# KiCad board Pro_V2.kicad_pcb
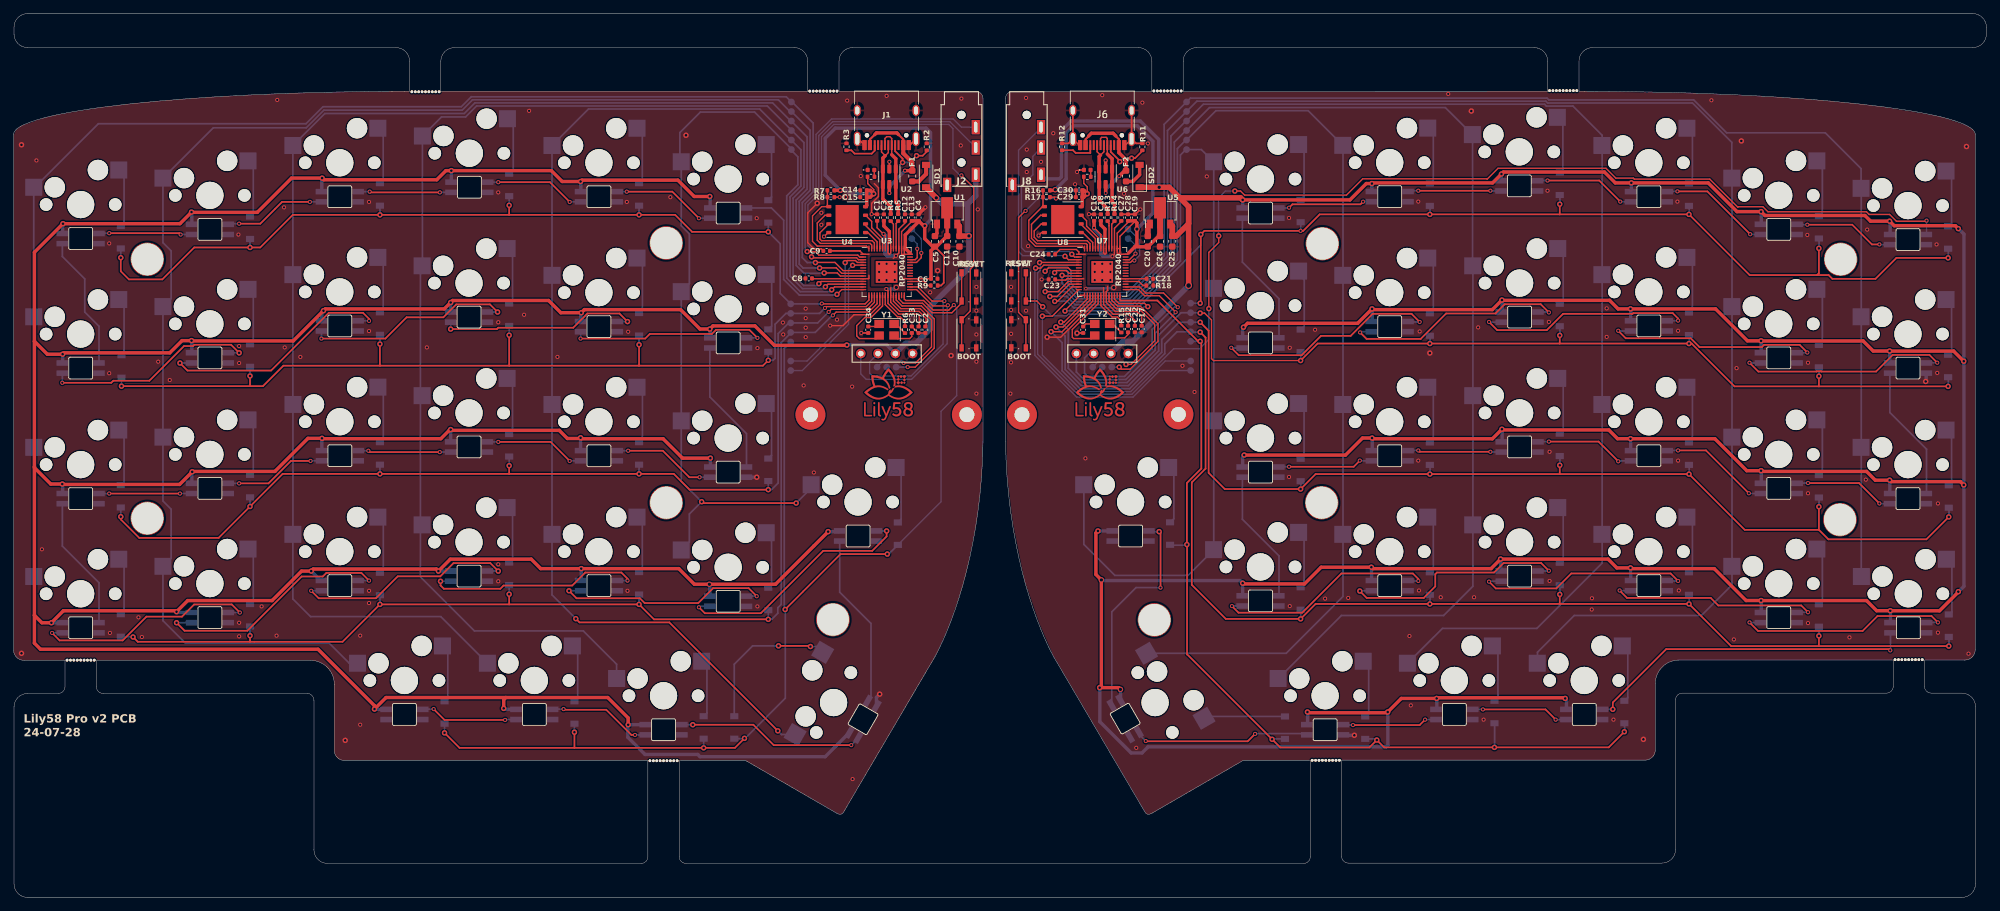
[diagram p0: board, top side]
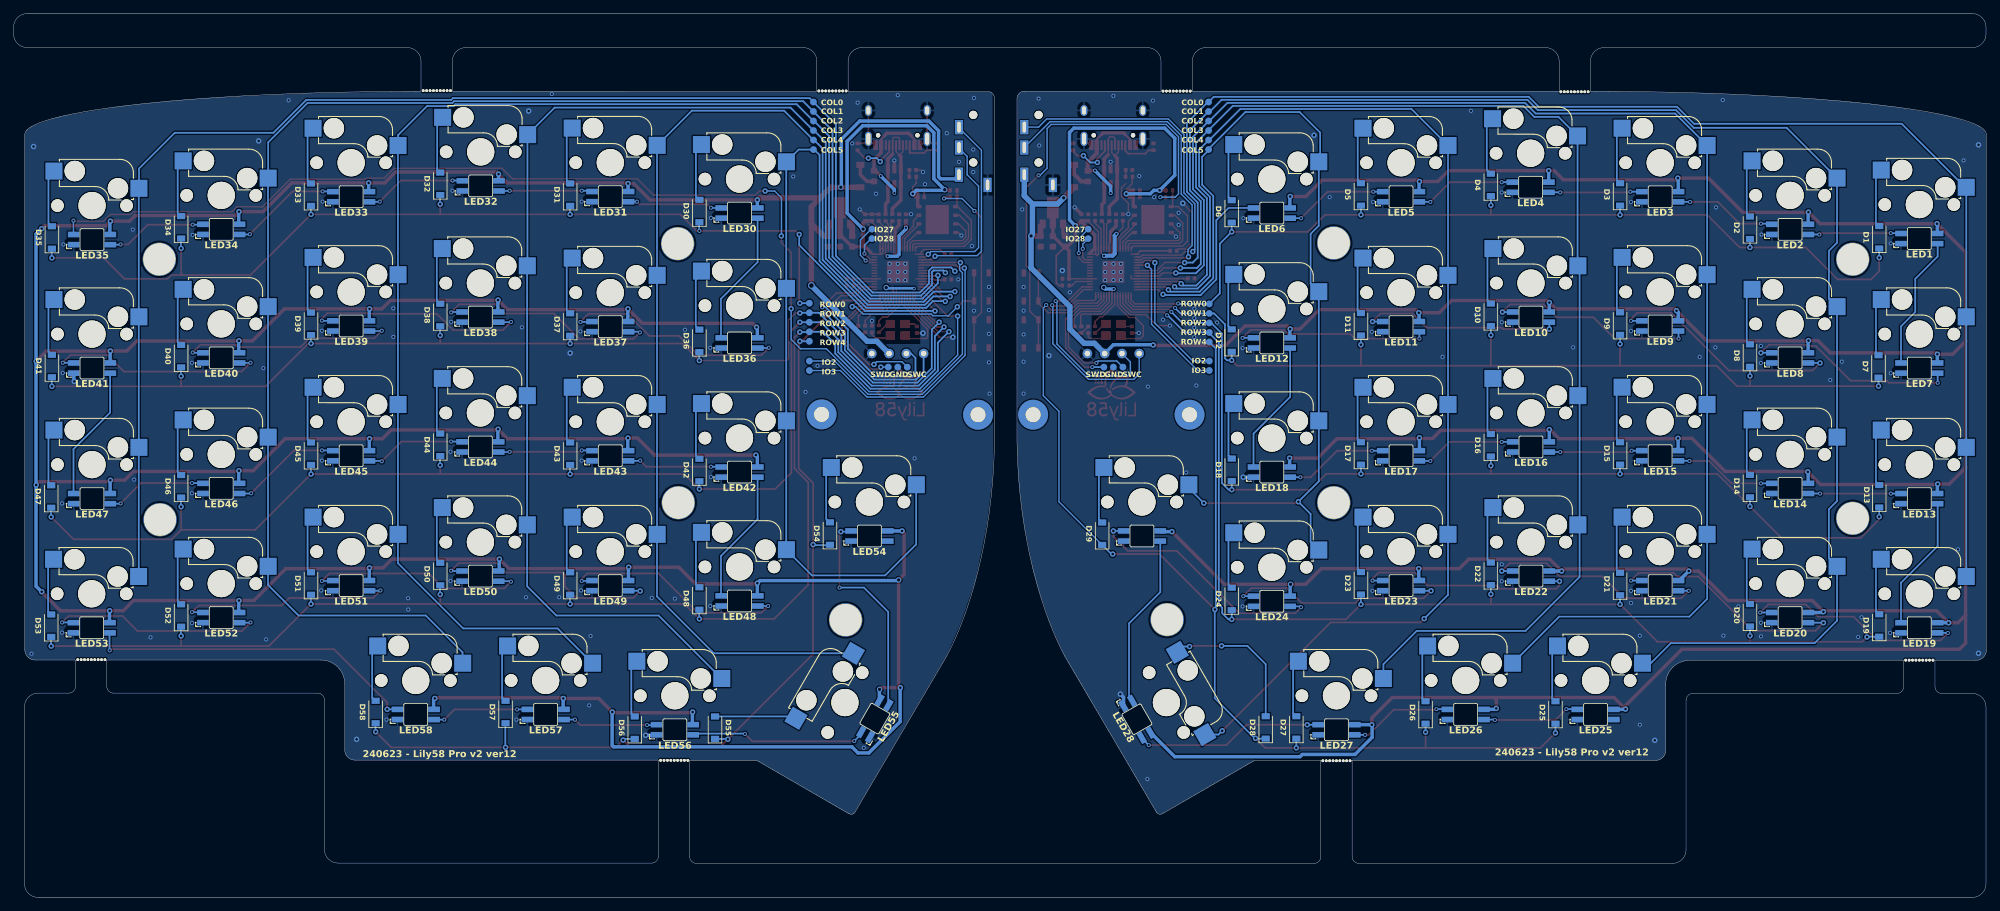
[diagram p1: board, bottom side, seen from below]

Outline 290.06 x 130 mm; copper layers: Top, Bottom. Coordinates in mm from the lower left corner of the outline.
Outline path: 0,36.37 0,112.22 ; 1.56,34.87 7.56,34.87 7.56,31 arc(7.27,30.29) 6.56,30 2.06,30 arc(0.65,29.41) 0.06,28 0.06,2 arc(0.65,0.59) 2.06,0 286.46,0 arc(287.87,0.59) 288.46,2 288.46,28.05 arc(287.87,29.46) 286.46,30.05 281.96,30.05 arc(281.25,30.34) 280.96,31.05 280.96,34.91 286.87,34.91 ; 43.65,34.87 12.16,34.87 12.16,31 arc(12.45,30.29) 13.16,30 43.16,30 arc(43.87,29.71) 44.16,29 44.16,7 arc(44.75,5.59) 46.16,5 92.26,5 arc(92.97,5.29) 93.26,6 93.26,20.15 48.65,20.15 ; 47.15,21.62 47.15,31.37 ; 58.22,118.57 58.22,123 arc(57.63,124.41) 56.22,125 2.06,125 arc(0.65,125.59) 0.06,127 0.06,128 arc(0.65,129.41) 2.06,130 288.06,130 arc(289.47,129.41) 290.06,128 290.06,127 arc(289.47,125.59) 288.06,125 232.16,125 arc(230.75,124.41) 230.16,123 230.16,118.57 ; 121.01,12.39 107.6,20.15 97.86,20.15 97.86,6 arc(98.15,5.29) 98.86,5 189.66,5 arc(190.37,5.29) 190.66,6 190.66,20.15 180.77,20.15 167.37,12.39 ; 141.48,118.57 121.36,118.57 121.36,123 arc(121.95,124.41) 123.36,125 165.36,125 arc(166.77,124.41) 167.36,123 167.36,118.57 146.9,118.57 ; 122.02,12.53 135.47,35.42 ; 142.53,117.52 142.53,67.06 ; 145.85,67.06 145.85,117.52 ; 152.9,35.42 166.36,12.53 ; 239.87,20.19 195.26,20.19 195.26,6.05 arc(195.55,5.34) 196.26,5.05 242.36,5.05 arc(243.77,5.63) 244.36,7.05 244.36,29.05 arc(244.65,29.75) 245.36,30.05 275.36,30.05 arc(276.07,30.34) 276.36,31.05 276.36,34.92 244.87,34.92 ; 241.37,21.67 241.37,31.41 ; 288.42,112.22 288.42,36.46 ; 62.82,123 arc(63.4,124.41) 64.82,125 114.76,125 arc(116.17,124.41) 116.76,123 116.76,118.57 62.82,118.57 62.82,123 ; 171.96,123 arc(172.55,124.41) 173.96,125 223.56,125 arc(224.97,124.41) 225.56,123 225.56,118.57 171.96,118.57 171.96,123
Stack: Top 0.035mm / dielectric 1.51mm FR4 er 4.5 / Bottom 0.035mm

## Placement (name value [footprint] x y rotation side)
BSW1  SWBoot  [SW_Push_1P1T_NO_Vertical_Wuerth_434133025816]  140.46 82.9 90 top
BSW2  SWBoot  [SW_Push_1P1T_NO_Vertical_Wuerth_434133025816]  147.76 82.9 270 top
C1  100n  [C_0402_1005Metric]  126.96 100 90 top
C2  100n  [C_0402_1005Metric]  134.06 83.5 270 top
C3  100n  [C_0402_1005Metric]  127.96 100 90 top
C4  100n  [C_0402_1005Metric]  133.06 100 90 top
C5  100n  [C_0603_1608Metric]  135.46 96.5 90 top
C6  100n  [C_0402_1005Metric]  135.36 91 0 top
C7  100n  [C_0402_1005Metric]  133.06 83.5 270 top
C8  100n  [C_0402_1005Metric]  116.91 91.05 180 top
C9  100n  [C_0402_1005Metric]  119.53 95.1 180 top
C10  10u  [C_0603_1608Metric]  139.06 96.5 270 top
C11  10u  [C_0603_1608Metric]  137.26 96.5 270 top
C12  2.2uF  [C_0402_1005Metric]  131.06 100 90 top
C13  2.2uF  [C_0402_1005Metric]  132.06 100 90 top
C14  100n  [C_0402_1005Metric]  124.96 104 180 top
C15  2.2uF  [C_0402_1005Metric]  124.96 103 180 top
C16  100n  [C_0402_1005Metric]  158.86 100 90 top
C17  100n  [C_0402_1005Metric]  165.86 83.6 270 top
C18  100n  [C_0402_1005Metric]  159.86 100 90 top
C19  100n  [C_0402_1005Metric]  164.86 100 90 top
C20  100n  [C_0603_1608Metric]  166.76 96.5 90 top
C21  100n  [C_0402_1005Metric]  167.06 91 0 top
C22  100n  [C_0402_1005Metric]  164.86 83.6 270 top
C23  100n  [C_0402_1005Metric]  152.66 90.9 180 top
C24  100n  [C_0402_1005Metric]  152.66 94.6 180 top
C25  10u  [C_0603_1608Metric]  170.36 96.5 270 top
C26  10u  [C_0603_1608Metric]  168.56 96.5 270 top
C27  2.2uF  [C_0402_1005Metric]  162.86 100 90 top
C28  2.2uF  [C_0402_1005Metric]  163.86 100 90 top
C29  100n  [C_0402_1005Metric]  156.66 103 180 top
C30  2.2uF  [C_0402_1005Metric]  156.66 104 180 top
C31  27pF  [C_0402_1005Metric]  157.26 83.5 90 top
C32  27pF  [C_0402_1005Metric]  163.86 83.6 270 top
C33  27pF  [C_0402_1005Metric]  132.06 83.5 270 top
C34  27pF  [C_0402_1005Metric]  125.66 83.5 90 top
D1  D  [D_SOD-123]  15.76 97.1 90 bottom
D2  D  [D_SOD-123]  34.76 98.5 90 bottom
D3  D  [D_SOD-123]  53.86 103.4 90 bottom
D4  D  [D_SOD-123]  72.86 104.8 90 bottom
D5  D  [D_SOD-123]  91.96 103.4 90 bottom
D6  D  [D_SOD-123]  110.96 100.9 90 bottom
D7  D  [D_SOD-123]  15.86 78.1 90 bottom
D8  D  [D_SOD-123]  34.76 79.7 90 bottom
D9  D  [D_SOD-123]  53.86 84.4 90 bottom
D10  D  [D_SOD-123]  72.86 85.7 90 bottom
D11  D  [D_SOD-123]  91.96 84.3 90 bottom
D12  D  [D_SOD-123]  110.96 81.9 90 bottom
D13  D  [D_SOD-123]  15.76 59 90 bottom
D14  D  [D_SOD-123]  34.76 60.5 90 bottom
D15  D  [D_SOD-123]  53.86 65.3 90 bottom
D16  D  [D_SOD-123]  72.86 66.5 90 bottom
D17  D  [D_SOD-123]  91.96 65.3 90 bottom
D18  D  [D_SOD-123]  110.96 62.9 90 bottom
D19  D  [D_SOD-123]  15.76 40 90 bottom
D20  D  [D_SOD-123]  34.76 41.5 90 bottom
D21  D  [D_SOD-123]  53.86 46.1 90 bottom
D22  D  [D_SOD-123]  72.86 47.6 90 bottom
D23  D  [D_SOD-123]  91.96 46.2 90 bottom
D24  D  [D_SOD-123]  110.96 43.9 90 bottom
D25  D  [D_SOD-123]  63.36 27.2 90 bottom
D26  D  [D_SOD-123]  82.46 27.2 90 bottom
D27  D  [D_SOD-123]  101.46 25 90 bottom
D28  D  [D_SOD-123]  105.96 25 90 bottom
D29  D  [D_SOD-123]  130.01 53.5 90 bottom
D30  D  [D_SOD-123]  189.23 100.97 90 bottom
D31  D  [D_SOD-123]  208.23 103.37 90 bottom
D32  D  [D_SOD-123]  227.33 104.97 90 bottom
D33  D  [D_SOD-123]  246.33 103.37 90 bottom
D34  D  [D_SOD-123]  265.43 98.57 90 bottom
D35  D  [D_SOD-123]  284.43 97.07 90 bottom
D36  D  [D_SOD-123]  189.23 81.87 90 bottom
D37  D  [D_SOD-123]  208.23 84.27 90 bottom
D38  D  [D_SOD-123]  227.33 85.67 90 bottom
D39  D  [D_SOD-123]  246.33 84.37 90 bottom
D40  D  [D_SOD-123]  265.43 79.62 90 bottom
D41  D  [D_SOD-123]  284.43 78.17 90 bottom
D42  D  [D_SOD-123]  189.23 62.87 90 bottom
D43  D  [D_SOD-123]  208.23 65.27 90 bottom
D44  D  [D_SOD-123]  227.33 66.57 90 bottom
D45  D  [D_SOD-123]  246.33 65.27 90 bottom
D46  D  [D_SOD-123]  265.43 60.47 90 bottom
D47  D  [D_SOD-123]  284.53 58.97 90 bottom
D48  D  [D_SOD-123]  189.23 43.97 90 bottom
D49  D  [D_SOD-123]  208.23 46.17 90 bottom
D50  D  [D_SOD-123]  227.33 47.57 90 bottom
D51  D  [D_SOD-123]  246.33 46.17 90 bottom
D52  D  [D_SOD-123]  265.43 41.47 90 bottom
D53  D  [D_SOD-123]  284.53 39.97 90 bottom
D54  D  [D_SOD-123]  170.03 53.52 90 bottom
D55  D  [D_SOD-123]  186.93 24.97 90 bottom
D56  D  [D_SOD-123]  198.73 24.97 90 bottom
D57  D  [D_SOD-123]  217.73 27.27 90 bottom
D58  D  [D_SOD-123]  236.83 27.27 90 bottom
F1  6V 0.5A  [Fuse_0603_1608Metric]  132.13 106.1 270 top
F2  6V 0.5A  [Fuse_0603_1608Metric]  163.56 106.1 270 top
H1  tab  [breakaway04]  60.56 118.5 0 bottom
H2  tab  [breakaway04]  119.06 118.6 0 bottom
H3  tab  [breakaway04]  9.86 34.9 0 top
H4  tab  [breakaway04]  95.56 20.1 0 top
H5  HOLE  [HOLE_M2_TH]  19.66 93.86 0 top
H6  HOLE  [HOLE_M2_TH]  95.96 96.26 0 top
H7  HOLE  [HOLE_M2_TH]  19.66 55.76 0 top
H8  HOLE  [HOLE_M2_TH]  95.96 58.06 0 top
H9  HOLE  [HOLE_M2_TH]  120.46 40.86 0 top
H10  HOLE  [MountingHole_2.2mm_M2_Pad]  140.16 71 0 top
H11  HOLE  [MountingHole_2.2mm_M2_Pad]  117.16 71 0 top
H12  tab  [breakaway04]  169.66 118.62 0 bottom
H13  tab  [breakaway04]  227.83 118.67 0 bottom
H14  tab  [breakaway04]  192.93 20.17 0 top
H15  tab  [breakaway04]  278.63 34.97 0 top
H16  HOLE  [HOLE_M2_TH]  192.43 96.16 0 top
H17  HOLE  [HOLE_M2_TH]  268.63 93.86 0 bottom
H18  HOLE  [HOLE_M2_TH]  192.33 58.06 0 top
H19  HOLE  [HOLE_M2_TH]  268.53 55.56 0 top
H20  HOLE  [HOLE_M2_TH]  167.73 40.81 0 top
H21  HOLE  [MountingHole_2.2mm_M2_Pad]  171.26 71.05 0 top
H22  HOLE  [MountingHole_2.2mm_M2_Pad]  148.26 71 0 top
H23  LOGO  [lily58_logo_2]  128.66 74 0 top
H24  LOGO  [lily58_logo_2]  159.76 74 0 top
J1  USB_C_Receptacle  [USB_C_Receptacle_HRO_TYPE-C-31-M-12]  128.36 114.7 180 top
J2  AudioJack4  [PJ-320]  139.36 110.6 0 top
J3  OLED  [OLED_4Pin]  128.36 80 0 bottom
J6  USB_C_Receptacle  [USB_C_Receptacle_HRO_TYPE-C-31-M-12]  160.06 114.7 180 top
J7  OLED  [OLED_4Pin]  160.06 80 0 bottom
J8  AudioJack4  [PJ-320]  148.96 110.6 0 top
LED1  YS-SK6812MINI  [SK6812MINI-E]  9.86 96.91 180 bottom
LED2  YS-SK6812MINI  [SK6812MINI-E]  28.86 98.26 180 bottom
LED3  YS-SK6812MINI  [SK6812MINI-E]  47.96 103.06 180 bottom
LED4  YS-SK6812MINI  [SK6812MINI-E]  67.01 104.46 180 bottom
LED5  YS-SK6812MINI  [SK6812MINI-E]  86.06 103.06 180 bottom
LED6  YS-SK6812MINI  [SK6812MINI-E]  105.06 100.66 180 bottom
LED7  YS-SK6812MINI  [SK6812MINI-E]  9.86 77.86 180 bottom
LED8  YS-SK6812MINI  [SK6812MINI-E]  28.86 79.36 180 bottom
LED9  YS-SK6812MINI  [SK6812MINI-E]  47.96 84.06 180 bottom
LED10  YS-SK6812MINI  [SK6812MINI-E]  66.96 85.36 180 bottom
LED11  YS-SK6812MINI  [SK6812MINI-E]  86.06 83.96 180 bottom
LED12  YS-SK6812MINI  [SK6812MINI-E]  105.06 81.56 180 bottom
LED13  YS-SK6812MINI  [SK6812MINI-E]  9.86 58.66 180 bottom
LED14  YS-SK6812MINI  [SK6812MINI-E]  28.86 60.16 180 bottom
LED15  YS-SK6812MINI  [SK6812MINI-E]  47.97 64.97 180 bottom
LED16  YS-SK6812MINI  [SK6812MINI-E]  66.96 66.26 180 bottom
LED17  YS-SK6812MINI  [SK6812MINI-E]  86.06 64.96 180 bottom
LED18  YS-SK6812MINI  [SK6812MINI-E]  105.06 62.56 180 bottom
LED19  YS-SK6812MINI  [SK6812MINI-E]  9.86 39.66 180 bottom
LED20  YS-SK6812MINI  [SK6812MINI-E]  28.86 41.16 180 bottom
LED21  YS-SK6812MINI  [SK6812MINI-E]  47.96 45.86 180 bottom
LED22  YS-SK6812MINI  [SK6812MINI-E]  66.96 47.26 180 bottom
LED23  YS-SK6812MINI  [SK6812MINI-E]  86.06 45.86 180 bottom
LED24  YS-SK6812MINI  [SK6812MINI-E]  105.06 43.56 180 bottom
LED25  YS-SK6812MINI  [SK6812MINI-E]  57.46 26.91 180 bottom
LED26  YS-SK6812MINI  [SK6812MINI-E]  76.56 26.91 180 bottom
LED27  YS-SK6812MINI  [SK6812MINI-E]  95.56 24.66 180 bottom
LED28  YS-SK6812MINI  [SK6812MINI-E]  124.89 26.2 240 bottom
LED29  YS-SK6812MINI  [SK6812MINI-E]  124.16 53.16 180 bottom
LED30  YS-SK6812MINI  [SK6812MINI-E]  183.33 100.66 180 bottom
LED31  YS-SK6812MINI  [SK6812MINI-E]  202.33 103.08 180 bottom
LED32  YS-SK6812MINI  [SK6812MINI-E]  221.38 104.66 180 bottom
LED33  YS-SK6812MINI  [SK6812MINI-E]  240.43 103.06 180 bottom
LED34  YS-SK6812MINI  [SK6812MINI-E]  259.53 98.26 180 bottom
LED35  YS-SK6812MINI  [SK6812MINI-E]  278.53 96.76 180 bottom
LED36  YS-SK6812MINI  [SK6812MINI-E]  183.33 81.56 180 bottom
LED37  YS-SK6812MINI  [SK6812MINI-E]  202.33 83.96 180 bottom
LED38  YS-SK6812MINI  [SK6812MINI-E]  221.43 85.36 180 bottom
LED39  YS-SK6812MINI  [SK6812MINI-E]  240.43 84.06 180 bottom
LED40  YS-SK6812MINI  [SK6812MINI-E]  259.53 79.36 180 bottom
LED41  YS-SK6812MINI  [SK6812MINI-E]  278.53 77.86 180 bottom
LED42  YS-SK6812MINI  [SK6812MINI-E]  183.33 62.56 180 bottom
LED43  YS-SK6812MINI  [SK6812MINI-E]  202.33 64.96 180 bottom
LED44  YS-SK6812MINI  [SK6812MINI-E]  221.43 66.26 180 bottom
LED45  YS-SK6812MINI  [SK6812MINI-E]  240.43 64.96 180 bottom
LED46  YS-SK6812MINI  [SK6812MINI-E]  259.53 60.16 180 bottom
LED47  YS-SK6812MINI  [SK6812MINI-E]  278.53 58.66 180 bottom
LED48  YS-SK6812MINI  [SK6812MINI-E]  183.33 43.61 180 bottom
LED49  YS-SK6812MINI  [SK6812MINI-E]  202.33 45.86 180 bottom
LED50  YS-SK6812MINI  [SK6812MINI-E]  221.43 47.26 180 bottom
LED51  YS-SK6812MINI  [SK6812MINI-E]  240.43 45.86 180 bottom
LED52  YS-SK6812MINI  [SK6812MINI-E]  259.53 41.16 180 bottom
LED53  YS-SK6812MINI  [SK6812MINI-E]  278.58 39.66 180 bottom
LED54  YS-SK6812MINI  [SK6812MINI-E]  164.23 53.16 180 bottom
LED55  YS-SK6812MINI  [SK6812MINI-E]  163.43 26.3 120 bottom
LED56  YS-SK6812MINI  [SK6812MINI-E]  192.83 24.66 180 bottom
LED57  YS-SK6812MINI  [SK6812MINI-E]  211.83 26.91 180 bottom
LED58  YS-SK6812MINI  [SK6812MINI-E]  230.93 26.91 180 bottom
R1  50k  [R_0402_1005Metric]  126.06 106 180 top
R2  5.1k  [R_0402_1005Metric]  134.26 110.4 90 top
R3  5.1k  [R_0402_1005Metric]  122.46 110.4 90 top
R4  27  [R_0402_1005Metric]  128.96 100 90 top
R5  27  [R_0402_1005Metric]  130.06 100 90 top
R6  1k  [R_0402_1005Metric]  131.06 83.5 90 top
R7  10k  [R_0402_1005Metric]  120.16 104 180 top
R8  1k  [R_0402_1005Metric]  120.16 103 180 top
R9  10k  [R_0402_1005Metric]  135.36 90 180 top
R10  50k  [R_0402_1005Metric]  157.86 106 180 top
R11  5.1k  [R_0402_1005Metric]  165.96 110.4 90 top
R12  5.1k  [R_0402_1005Metric]  154.16 110.4 90 top
R13  27  [R_0402_1005Metric]  160.86 100 90 top
R14  27  [R_0402_1005Metric]  161.86 100 90 top
R15  1k  [R_0402_1005Metric]  162.86 83.6 90 top
R16  10k  [R_0402_1005Metric]  151.86 104 180 top
R17  1k  [R_0402_1005Metric]  151.86 103 180 top
R18  10k  [R_0402_1005Metric]  167.06 90 180 top
RSW1  RSW  [SW_Push_1P1T_NO_Vertical_Wuerth_434133025816]  140.46 89.8 90 top
RSW2  RSW  [SW_Push_1P1T_NO_Vertical_Wuerth_434133025816]  147.76 89.8 270 top
SD1  3A/10V/280mV  [D_SOD-123]  134.16 106.1 90 top
SD2  3A/10V/280mV  [D_SOD-123]  165.56 106.1 90 top
STLED1  LED_WHITE  [LED_0402_1005Metric]  126.06 107 0 top
STLED2  LED_WHITE  [LED_0402_1005Metric]  157.86 107 0 top
SW1  SW_Push  [MX_Socket]  9.86 101.91 0 top
SW2  SW_Push  [MX_Socket]  28.86 103.26 0 top
SW3  SW_Push  [MX_Socket]  47.96 108.06 0 top
SW4  SW_Push  [MX_Socket]  67.01 109.46 0 top
SW5  SW_Push  [MX_Socket]  86.06 108.06 0 top
SW6  SW_Push  [MX_Socket]  105.06 105.66 0 top
SW7  SW_Push  [MX_Socket]  9.86 82.86 0 top
SW8  SW_Push  [MX_Socket]  28.86 84.36 0 top
SW9  SW_Push  [MX_Socket]  47.96 89.06 0 top
SW10  SW_Push  [MX_Socket]  66.96 90.36 0 top
SW11  SW_Push  [MX_Socket]  86.06 88.96 0 top
SW12  SW_Push  [MX_Socket]  105.06 86.56 0 top
SW13  SW_Push  [MX_Socket]  9.86 63.66 0 top
SW14  SW_Push  [MX_Socket]  28.86 65.16 0 top
SW15  SW_Push  [MX_Socket]  47.97 69.97 0 top
SW16  SW_Push  [MX_Socket]  66.96 71.26 0 top
SW17  SW_Push  [MX_Socket]  86.06 69.96 0 top
SW18  SW_Push  [MX_Socket]  105.06 67.56 0 top
SW19  SW_Push  [MX_Socket]  9.86 44.66 0 top
SW20  SW_Push  [MX_Socket]  28.86 46.16 0 top
SW21  SW_Push  [MX_Socket]  47.96 50.86 0 top
SW22  SW_Push  [MX_Socket]  66.96 52.26 0 top
SW23  SW_Push  [MX_Socket]  86.06 50.86 0 top
SW24  SW_Push  [MX_Socket]  105.06 48.56 0 top
SW25  SW_Push  [MX_Socket]  57.46 31.91 0 top
SW26  SW_Push  [MX_Socket]  76.56 31.91 0 top
SW27  SW_Push  [MX_Socket]  95.56 29.66 0 top
SW28  SW_Push  [MX_Socket]  120.56 28.66 60 top
SW29  SW_Push  [MX_Socket]  124.16 58.16 0 top
SW30  SW_Push  [MX_Socket]  183.33 105.66 0 top
SW31  SW_Push  [MX_Socket]  202.33 108.08 0 top
SW32  SW_Push  [MX_Socket]  221.38 109.66 0 top
SW33  SW_Push  [MX_Socket]  240.43 108.06 0 top
SW34  SW_Push  [MX_Socket]  259.53 103.26 0 top
SW35  SW_Push  [MX_Socket]  278.53 101.76 0 top
SW36  SW_Push  [MX_Socket]  183.33 87.05 0 top
SW37  SW_Push  [MX_Socket]  202.33 88.96 0 top
SW38  SW_Push  [MX_Socket]  221.43 90.36 0 top
SW39  SW_Push  [MX_Socket]  240.43 89.06 0 top
SW40  SW_Push  [MX_Socket]  259.53 84.36 0 top
SW41  SW_Push  [MX_Socket]  278.53 82.86 0 top
SW42  SW_Push  [MX_Socket]  183.33 67.56 0 top
SW43  SW_Push  [MX_Socket]  202.33 69.96 0 top
SW44  SW_Push  [MX_Socket]  221.43 71.26 0 top
SW45  SW_Push  [MX_Socket]  240.43 69.96 0 top
SW46  SW_Push  [MX_Socket]  259.53 65.16 0 top
SW47  SW_Push  [MX_Socket]  278.53 63.66 0 top
SW48  SW_Push  [MX_Socket]  183.33 48.61 0 top
SW49  SW_Push  [MX_Socket]  202.33 50.86 0 top
SW50  SW_Push  [MX_Socket]  221.43 52.26 0 top
SW51  SW_Push  [MX_Socket]  240.43 50.86 0 top
SW52  SW_Push  [MX_Socket]  259.53 46.16 0 top
SW53  SW_Push  [MX_Socket]  278.58 44.66 0 top
SW54  SW_Push  [MX_Socket]  164.23 58.16 0 top
SW55  SW_Push  [MX_Socket]  167.83 28.66 300 top
SW56  SW_Push  [MX_Socket]  192.83 29.66 0 top
SW57  SW_Push  [MX_Socket]  211.83 31.91 0 top
SW58  SW_Push  [MX_Socket]  230.93 31.91 0 top
TP1  TP_COL0  [TestPoint_Pad_1mm]  114.36 117 180 bottom
TP2  TP_COL1  [TestPoint_Pad_1mm]  114.36 115.6 180 bottom
TP3  TP_COL2  [TestPoint_Pad_1mm]  114.36 114.2 180 bottom
TP4  TP_COL3  [TestPoint_Pad_1mm]  114.36 112.8 180 bottom
TP5  TP_COL4  [TestPoint_Pad_1mm]  114.36 111.4 180 bottom
TP6  TP_COL5  [TestPoint_Pad_1mm]  114.36 110 180 bottom
TP7  TP_ROW0  [TestPoint_Pad_1mm]  114.26 87.3 180 bottom
TP8  TP_ROW1  [TestPoint_Pad_1mm]  114.26 85.9 180 bottom
TP9  TP_ROW2  [TestPoint_Pad_1mm]  114.26 84.5 180 bottom
TP10  TP_ROW3  [TestPoint_Pad_1mm]  114.26 83.1 180 bottom
TP11  TP_ROW4  [TestPoint_Pad_1mm]  114.26 81.7 180 bottom
TP12  SCL_2  [TestPoint_Pad_1mm]  114.26 77.5 180 bottom
TP13  SDA_2  [TestPoint_Pad_1mm]  114.26 78.9 180 bottom
TP14  SWD  [TestPoint_Pad_1mm]  129.76 78 180 bottom
TP15  GND  [TestPoint_Pad_1mm]  128.36 78 180 bottom
TP16  SWC  [TestPoint_Pad_1mm]  126.96 78 180 bottom
TP17  TP_COL0  [TestPoint_Pad_1mm]  172.46 117 180 bottom
TP18  TP_COL1  [TestPoint_Pad_1mm]  172.46 115.6 180 bottom
TP19  TP_COL2  [TestPoint_Pad_1mm]  172.46 114.2 180 bottom
TP20  TP_COL3  [TestPoint_Pad_1mm]  172.46 112.8 180 bottom
TP21  TP_COL4  [TestPoint_Pad_1mm]  172.46 111.4 180 bottom
TP22  TP_COL5  [TestPoint_Pad_1mm]  172.46 110 180 bottom
TP23  TP_ROW0  [TestPoint_Pad_1mm]  173.06 87.4 180 bottom
TP24  TP_ROW1  [TestPoint_Pad_1mm]  173.06 86 180 bottom
TP25  TP_ROW2  [TestPoint_Pad_1mm]  173.06 84.6 180 bottom
TP26  TP_ROW3  [TestPoint_Pad_1mm]  173.06 83.2 180 bottom
TP27  TP_ROW4  [TestPoint_Pad_1mm]  173.06 81.8 180 bottom
TP28  SCL_2  [TestPoint_Pad_1mm]  173.06 77.5 180 bottom
TP29  SDA_2  [TestPoint_Pad_1mm]  173.06 78.9 180 bottom
TP30  SWD  [TestPoint_Pad_1mm]  161.46 78 180 bottom
TP31  GND  [TestPoint_Pad_1mm]  160.06 78 180 bottom
TP32  SWC  [TestPoint_Pad_1mm]  158.66 78 180 bottom
TP33  IO27  [TestPoint_Pad_1mm]  132.06 98.3 180 bottom
TP34  IO28  [TestPoint_Pad_1mm]  132.06 96.9 180 bottom
TP35  GP27_R  [TestPoint_Pad_1mm]  163.86 98.3 180 bottom
TP36  GP28_R  [TestPoint_Pad_1mm]  163.86 96.9 180 bottom
U1  AMS1117-3.3  [SOT-89-3]  137.26 101 90 top
U2  USBLC6-2SC6  [SOT-23-6]  128.76 106 270 top
U3  RP2040  [QFN-56-1EP_7x7mm_P0.4mm_EP3.2x3.2mm]  128.36 92 0 top
U4  W25Q128JVPIQ  [WSON-8-1EP_6x5mm_P1.27mm_EP3.4x4.3mm]  122.56 99.7 0 top
U5  AMS1117-3.3  [SOT-89-3]  168.56 101 90 top
U6  USBLC6-2SC6  [SOT-23-6]  160.56 106 270 top
U7  RP2040  [QFN-56-1EP_7x7mm_P0.4mm_EP3.2x3.2mm]  160.06 92 0 top
U8  W25Q128JVPIQ  [WSON-8-1EP_6x5mm_P1.27mm_EP3.4x4.3mm]  154.26 99.7 0 top
Y1  12MHz  [Crystal_SMD_3225-4Pin_3.2x2.5mm]  128.36 83.5 180 top
Y2  12MHz  [Crystal_SMD_3225-4Pin_3.2x2.5mm]  160.06 83.5 180 top

## Library data of the parts
C1-C34 = -: ki_fp_filters: C_*
D1-D58 SD1 SD2 = -: ki_fp_filters: TO-???* *_Diode_* *SingleDiode* D_*
F1 = -: LCSC: C122965; ki_fp_filters: *polyfuse* *PTC*
F2 = -: ki_fp_filters: *polyfuse* *PTC*
H1-H24 J3 J7 = -: ki_fp_filters: Connector*:*_1x??_*
J1 J6 = -: Datasheet: https://www.usb.org/sites/default/files/documents/usb_type-c.zip; ki_fp_filters: USB*C*Receptacle*
J2 J8 = -: Field4: 4PIN; ki_fp_filters: Jack*
LED1-LED58 = -: Datasheet: https://cdn-shop.adafruit.com/product-files/2686/SK6812MINI_REV.01-1-2.pdf; ki_fp_filters: LED*SK6812MINI*PLCC*3.5x3.5mm*P1.75mm*
R1-R18 = -: ki_fp_filters: R_*
STLED1 STLED2 = -: ki_fp_filters: LED* LED_SMD:* LED_THT:*
TP1-TP32 = -: ki_fp_filters: Pin* Test*
TP33-TP36 = -: ki_fp_filters: Connector*:*
U1 U5 = -: Datasheet: http://www.advanced-monolithic.com/pdf/ds1117.pdf; ki_fp_filters: SOT?223*TabPin2*
U2 U6 = -: Datasheet: https://www.st.com/resource/en/datasheet/usblc6-2.pdf; LCSC: C7519; ki_fp_filters: SOT?23*
U3 U7 = -: Datasheet: https://datasheets.raspberrypi.com/rp2040/rp2040-datasheet.pdf; ki_fp_filters: QFN*7x7mm?P0.4mm?EP3.2x3.2mm*
U4 U8 = -: Datasheet: http://www.winbond.com/resource-files/w25q128jv_dtr%20revc%2003272018%20plus.pdf; ki_fp_filters: SOIC*5.23x5.23mm*P1.27mm*
Y1 Y2 = -: ki_fp_filters: Crystal*
